# Altium PCB foxbms2-master.PcbDoc (part 1 of 12) (continued)
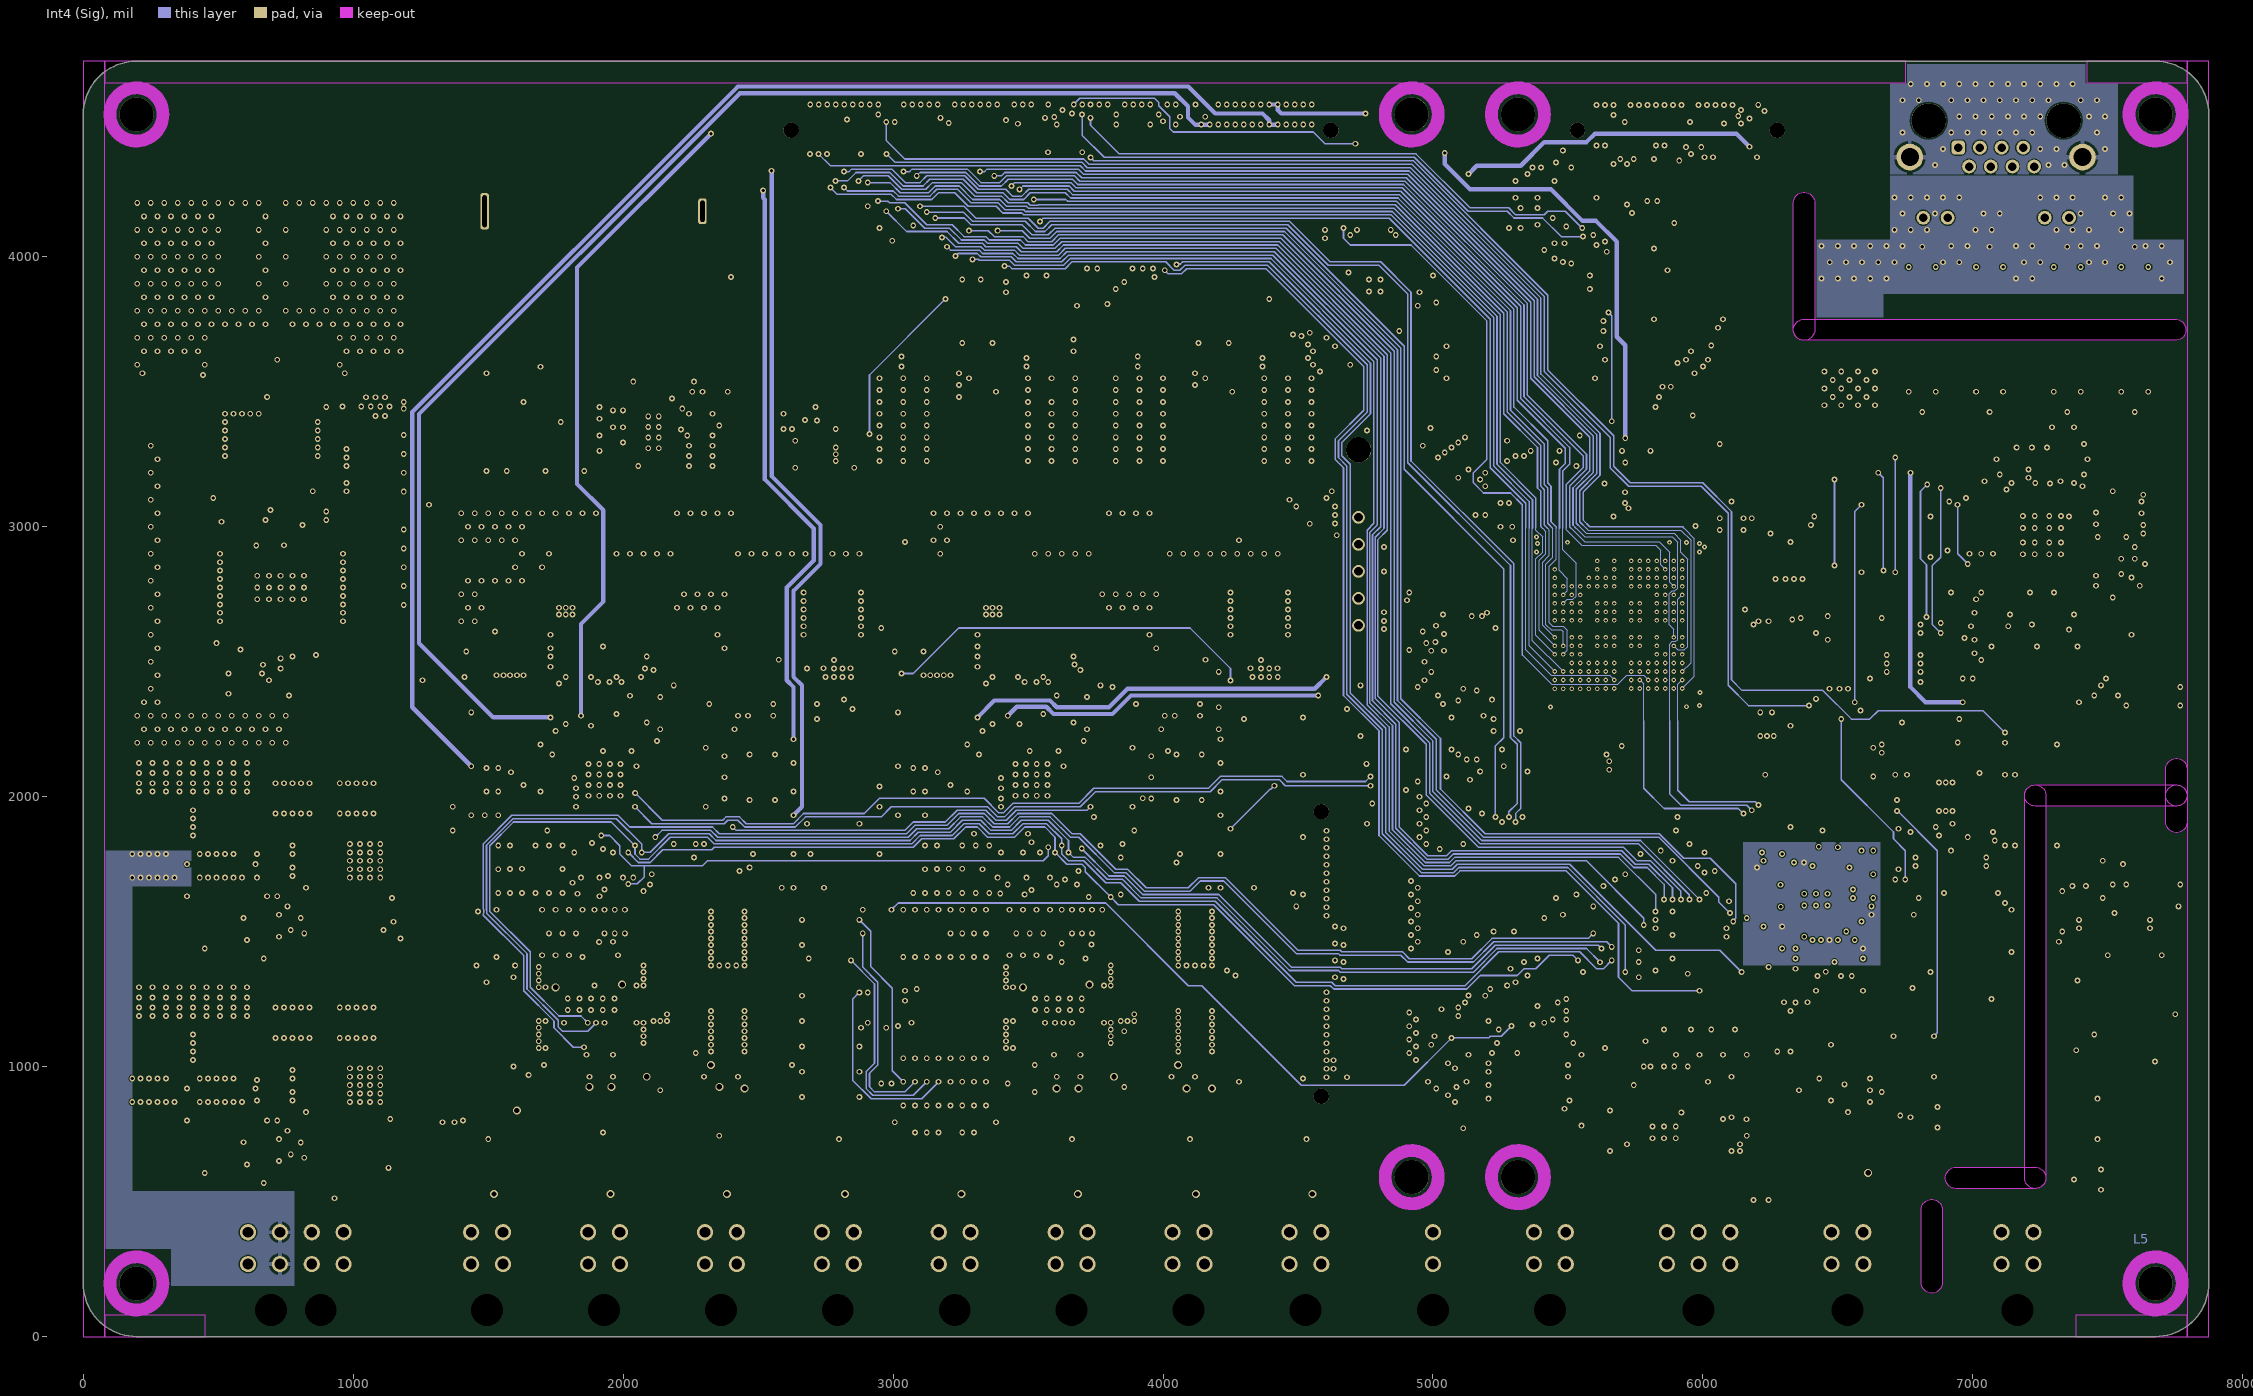
[diagram p5: Int4 (Sig)]
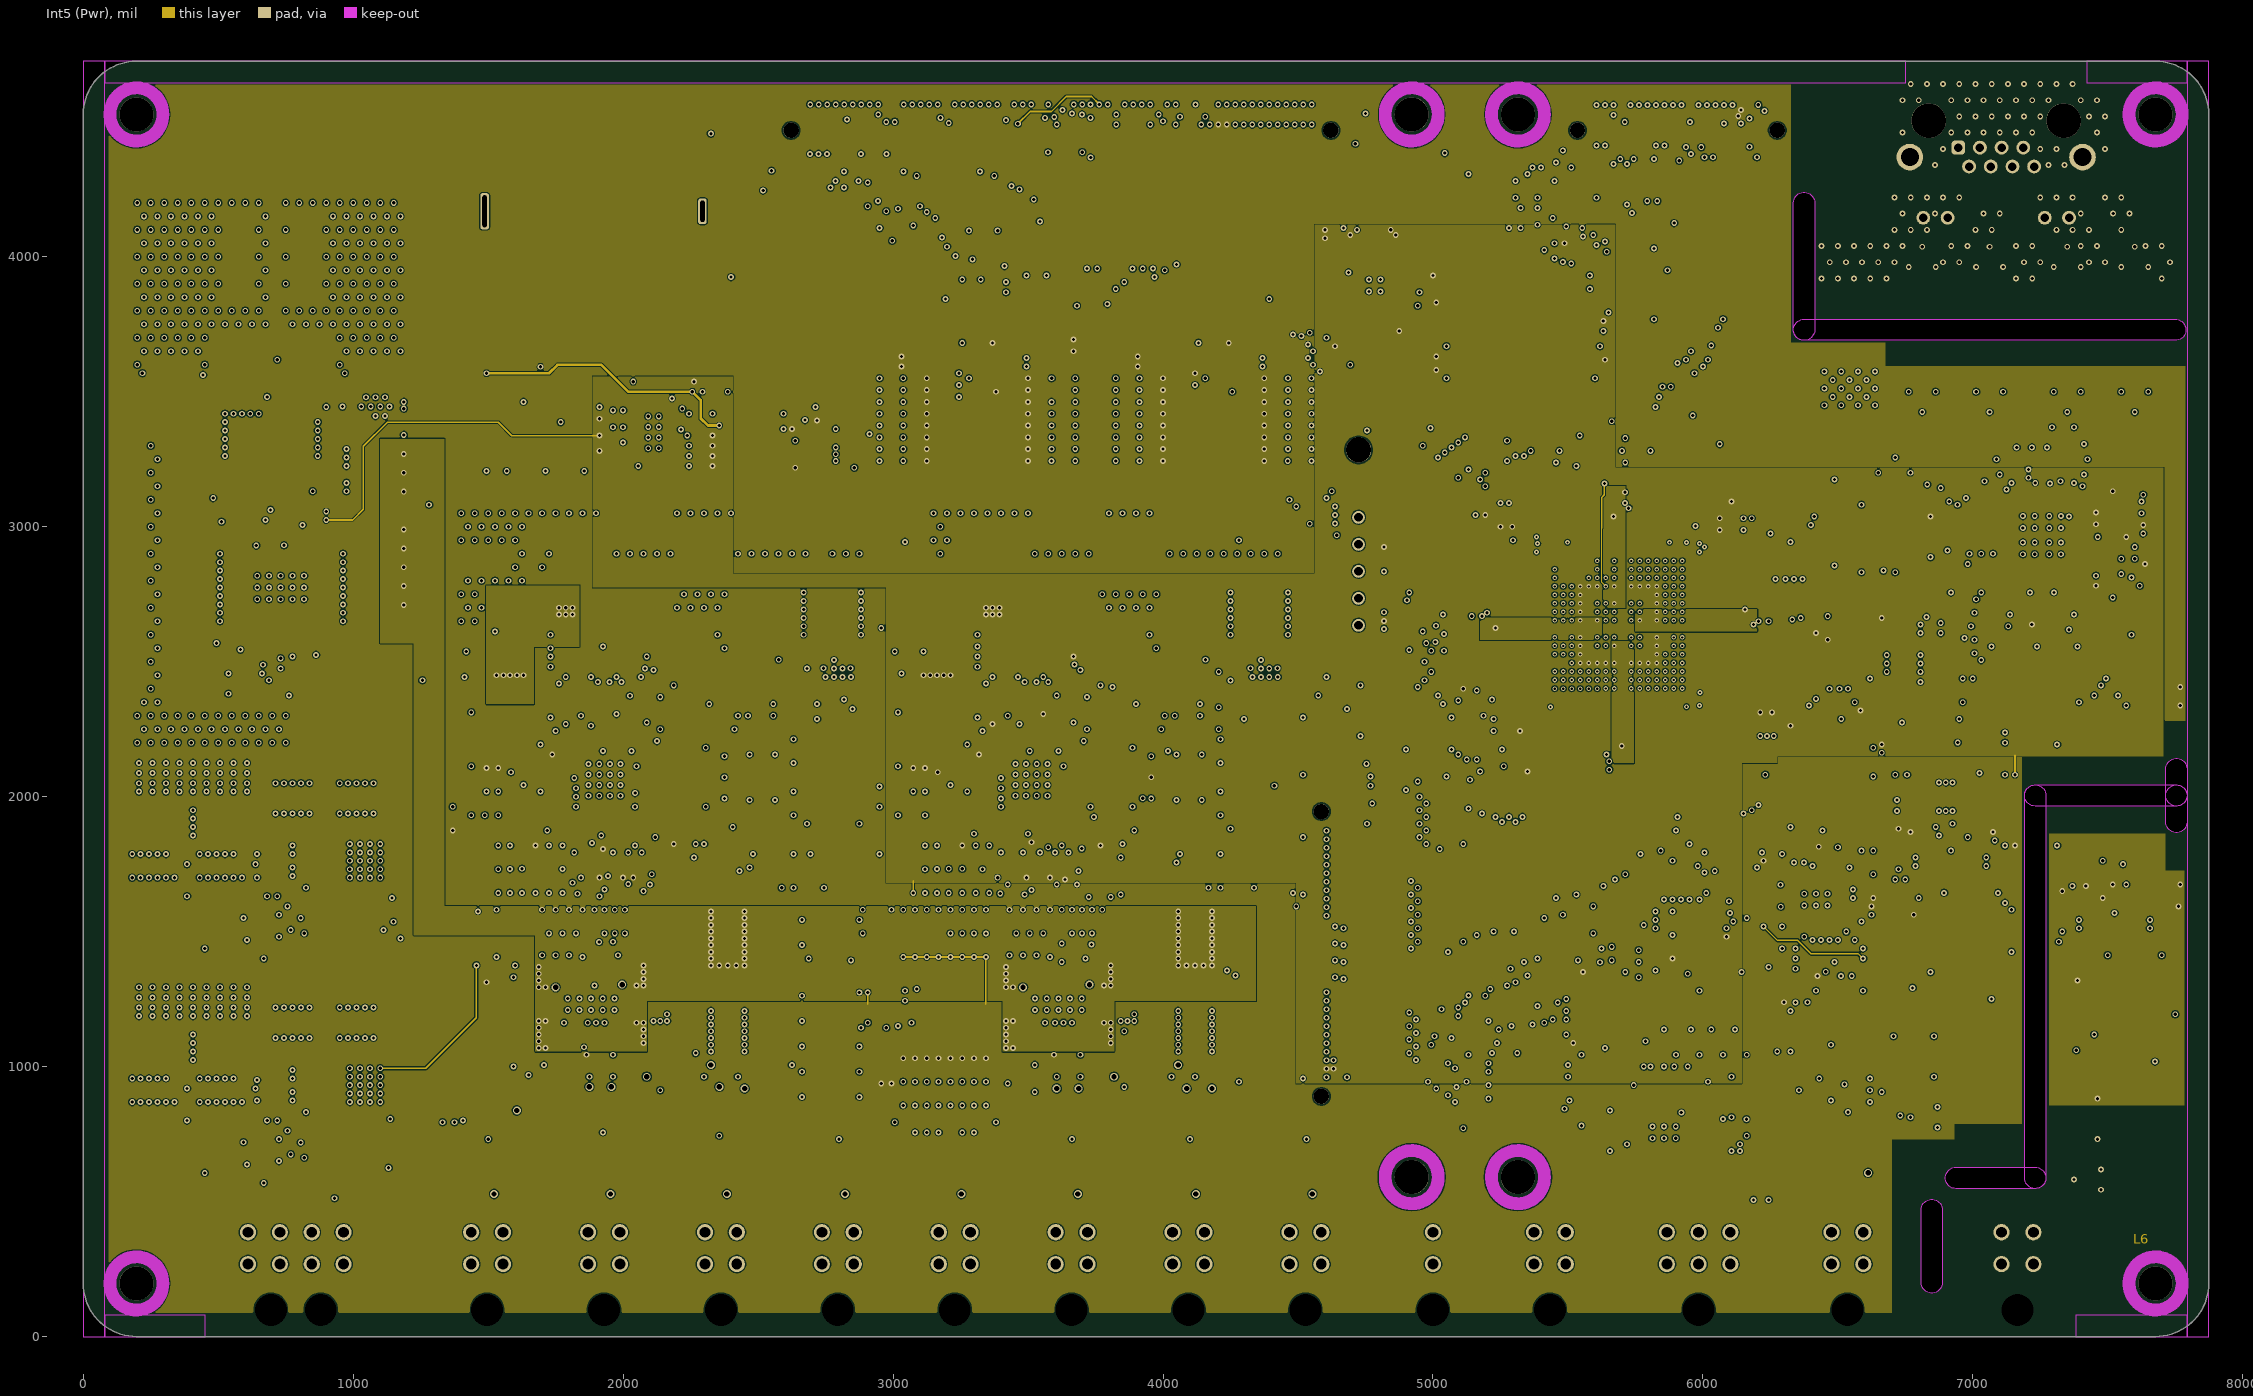
[diagram p6: Int5 (Pwr)]
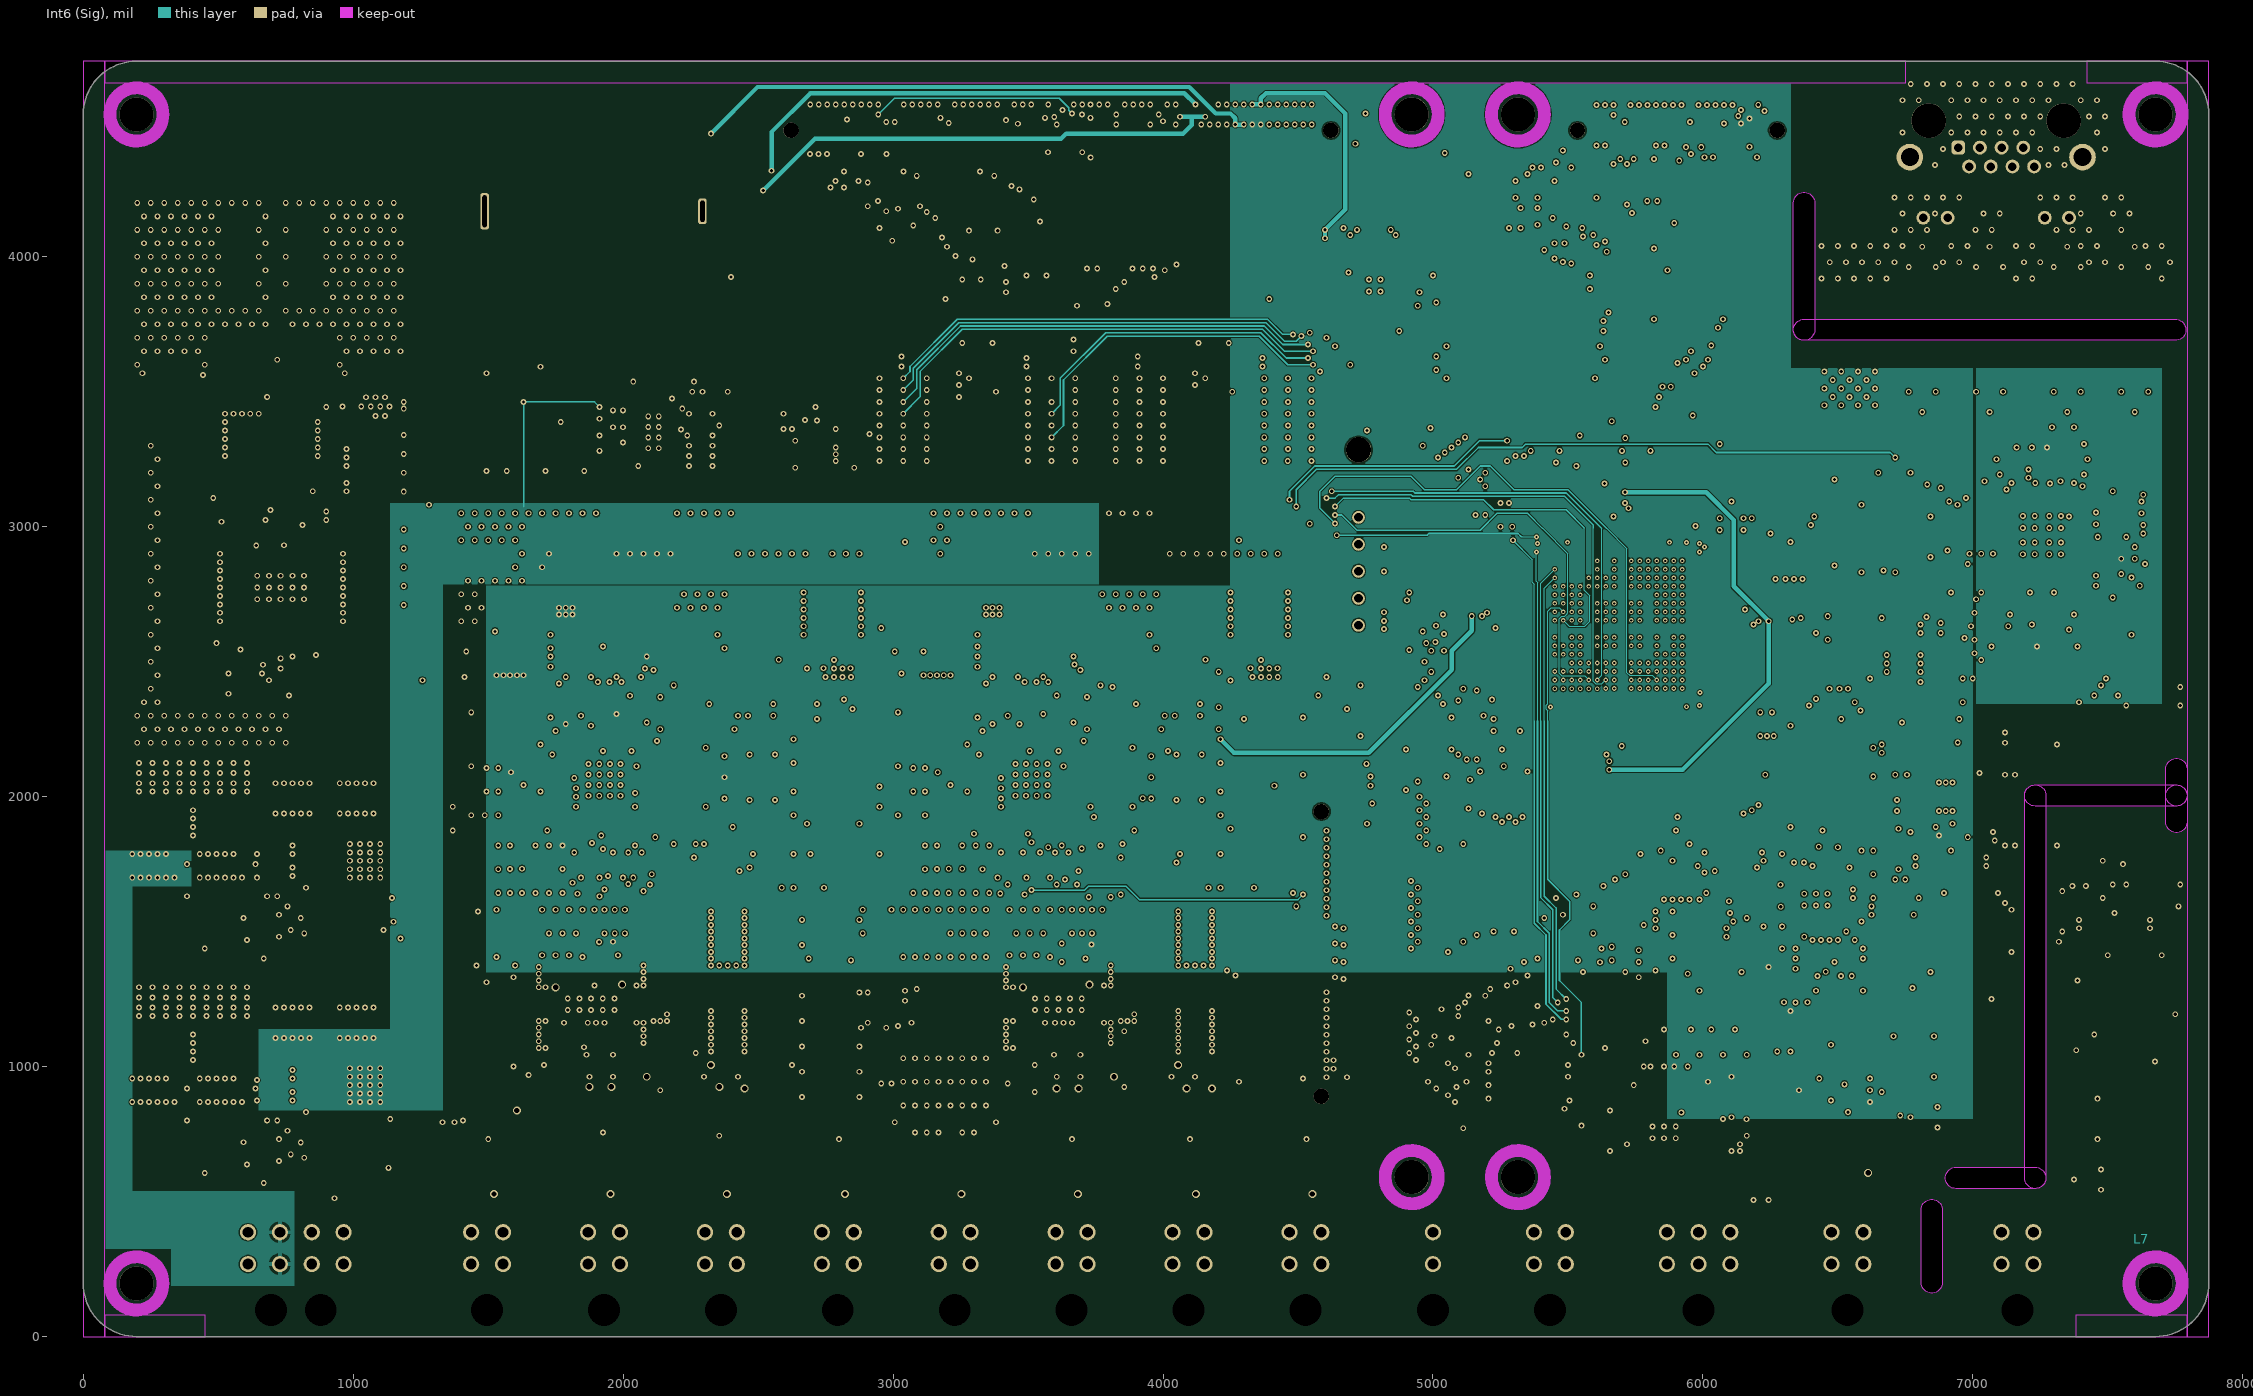
[diagram p7: Int6 (Sig)]

## Layer stack, top to bottom
Top Solder: solder mask 1.378, SM-001, Dk 4
Top: signal copper 0.7087
Dielectric 1: prepreg 2.7559, 1080, Dk 4.7
Dielectric 2: prepreg 2.7559, 1080, Dk 4.7
Int1 (Sig): signal copper 1.378
Dielectric 3: core 7.874, Core-024, Dk 4.7
Int2 (Gnd): signal copper 1.378
Dielectric 4: prepreg 2.7559, 1080, Dk 4.7
Dielectric 5: prepreg 4.5276, PP-003, Dk 4.7
Dielectric 6: prepreg 2.7559, 1080, Dk 4.7
Int3 (Sig): signal copper 1.378
Dielectric 7: core 7.874, Core-024, Dk 4.6
Int4 (Sig): signal copper 1.378
Dielectric 8: prepreg 2.7559, 1080, Dk 4.7
Dielectric 9: prepreg 4.5276, PP-003, Dk 4.7
Dielectric 10: prepreg 2.7559, 1080, Dk 4.7
Int5 (Pwr): signal copper 1.378
Dielectric 11: core 7.874, Core-024, Dk 4.7
Int6 (Sig): signal copper 1.378
Dielectric 12: prepreg 2.7559, 1080, Dk 4.7
Dielectric 13: prepreg 2.7559, 1080, Dk 4.7
Bottom: signal copper 0.7087
Bottom Solder: solder mask 1.378, SM-001, Dk 4

## Board outline
196.85,0 cw(c196.85,196.85) 0,196.85 0,4527.56 cw(c196.85,4527.56) 196.85,4724.41 7677.17,4724.41 cw(c7677.17,4527.56) 7874.02,4527.56 7874.02,196.85 cw(c7677.17,196.85) 7677.17,0
cut-out: 7715.01,2102.51 cw(c7754.38,2102.51) 7793.75,2102.51 7793.75,2004.38 cw(c7754.38,2004.38) 7715.01,2004.38
cut-out: 7793.75,1906.25 cw(c7754.38,1906.25) 7715.01,1906.25 7715.01,2004.38 cw(c7754.38,2004.38) 7793.75,2004.38
cut-out: 7231.25,626.87 cw(c7231.25,587.5) 7231.25,548.13 6937.5,548.13 cw(c6937.5,587.5) 6937.5,626.87
cut-out: 6375,3690.01 cw(c6375,3729.38) 6375,3768.75 7750,3768.75 cw(c7750,3729.38) 7750,3690.01
cut-out: 6414.37,3729.38 cw(c6375,3729.38) 6335.63,3729.38 6335.63,4200 cw(c6375,4200) 6414.37,4200
cut-out: 6887.5,200.48 cw(c6848.13,200.48) 6808.76,200.48 6808.76,468.75 cw(c6848.13,468.75) 6887.5,468.75
cut-out: 7191.88,2004.38 cw(c7231.25,2004.38) 7270.62,2004.38 7270.62,587.5 cw(c7231.25,587.5) 7191.88,587.5
cut-out: 7231.25,1965.01 cw(c7231.25,2004.38) 7231.25,2043.75 7754.38,2043.75 cw(c7754.38,2004.38) 7754.38,1965.01

## Design rules (kind name [scope] priority, off if disabled: settings)
AssemblyTestPointUsage [All] p1 off:
AssemblyTestpoint [(IsPad And (OnTopLayer Or OnBottomLayer)) Or (IsPad And OnMultiLayer)] p1 off: testpointundercomponent=FALSE minsize=40 maxsize=100 preferedsize=60 minholesize=0 maxholesize=40 preferedholesize=32 testpointgrid=1 usegrid=TRUE gridtolerance=0.01 allowsidetop=TRUE
BoardOutlineClearance [All] p1: gap=8 ignorepadtopadclearanceinfootprint=FALSE except(20: Arc-CavityEdge Track-CavityEdge SMDPad-CavityEdge THPad-CavityEdge Via-CavityEdge Fill-CavityEdge Poly-CavityEdge Region-CavityEdge Text-CavityEdge)
Clearance Clearance_ETHERNET [InNetClass('ETHERNET') vs Not InNetClass('ETHERNET')] p1: gap=11.81 ignorepadtopadclearanceinfootprint=TRUE
Clearance Clearance_iso_CAN2 [InNetClass('iso_CAN2') vs Not InNetClass('iso_CAN2')] p2: gap=11.81 ignorepadtopadclearanceinfootprint=TRUE
Clearance Clearance_mcu_fanout [WithinRoom('mcu_fanout')] p3: gap=4 ignorepadtopadclearanceinfootprint=TRUE
Clearance [All] p4: gap=4 ignorepadtopadclearanceinfootprint=TRUE except(6: Arc-Text Arc-Hole Track-Text Track-Hole SMDPad-Text SMDPad-Hole THPad-Text THPad-Hole Via-Text Via-Hole Fill-Text Fill-Hole Poly-Text Poly-Hole Region-Text Region-Hole Text-Text Text-Hole; 8: Arc-Via Track-Via SMDPad-Via THPad-Via Via-Via)
ComponentClearance ComponentClearance_Battery [InComponent('BT6401')] p1: gap=-3937.01 collisioncheckmode=3 verticalgap=-3937.01 showdistances=FALSE // Deactivate check on RTC battery
ComponentClearance [All] p2: gap=7.87 collisioncheckmode=3 verticalgap=19.68 showdistances=FALSE
Creepage Creepage_ETHERNET [InNetClass('ETHERNET') vs Not InNetClass('ETHERNET')] p1: checkdistance=393.7 ignoreinternallayers=FALSE
Creepage Creepage_iso_CAN2 [InNetClass('iso_CAN2') vs Not InNetClass('iso_CAN2')] p2: checkdistance=393.7 ignoreinternallayers=FALSE
DiffPairsRouting "Schematic Differential Pairs Routing_15" [InNetClass('ETHERNET_INT')] p1: maxlimit=12.5 minlimit=6 mostfreqgap=12.5 toplayer_minwidth=4 toplayer_maxwidth=10 toplayer_prefwidth=6 midlayer1_minwidth=4 midlayer1_maxwidth=10 midlayer1_prefwidth=6 midlayer2_minwidth=4 midlayer2_maxwidth=10 midlayer2_prefwidth=6 midlayer3_minwidth=4 midlayer3_maxwidth=10 midlayer3_prefwidth=6 midlayer4_minwidth=4 midlayer4_maxwidth=10 midlayer4_prefwidth=6 midlayer5_minwidth=4 midlayer5_maxwidth=10 midlayer5_prefwidth=6 midlayer6_minwidth=4 midlayer6_maxwidth=10 midlayer6_prefwidth=6 bottomlayer_minwidth=4 bottomlayer_maxwidth=10 bottomlayer_prefwidth=6 maxuncoupledlength=500
DiffPairsRouting "Schematic Differential Pairs Routing_7" [InNet('ETHERNET.RX1_1_N')] p2: maxlimit=12.5 minlimit=6 mostfreqgap=12.5 toplayer_minwidth=4 toplayer_maxwidth=10 toplayer_prefwidth=6 midlayer1_minwidth=4 midlayer1_maxwidth=10 midlayer1_prefwidth=6 midlayer2_minwidth=4 midlayer2_maxwidth=10 midlayer2_prefwidth=6 midlayer3_minwidth=4 midlayer3_maxwidth=10 midlayer3_prefwidth=6 midlayer4_minwidth=4 midlayer4_maxwidth=10 midlayer4_prefwidth=6 midlayer5_minwidth=4 midlayer5_maxwidth=10 midlayer5_prefwidth=6 midlayer6_minwidth=4 midlayer6_maxwidth=10 midlayer6_prefwidth=6 bottomlayer_minwidth=4 bottomlayer_maxwidth=10 bottomlayer_prefwidth=6 maxuncoupledlength=500
DiffPairsRouting "Schematic Differential Pairs Routing_6" [InNet('ETHERNET.RX1_1_P')] p3: maxlimit=12.5 minlimit=6 mostfreqgap=12.5 toplayer_minwidth=4 toplayer_maxwidth=10 toplayer_prefwidth=6 midlayer1_minwidth=4 midlayer1_maxwidth=10 midlayer1_prefwidth=6 midlayer2_minwidth=4 midlayer2_maxwidth=10 midlayer2_prefwidth=6 midlayer3_minwidth=4 midlayer3_maxwidth=10 midlayer3_prefwidth=6 midlayer4_minwidth=4 midlayer4_maxwidth=10 midlayer4_prefwidth=6 midlayer5_minwidth=4 midlayer5_maxwidth=10 midlayer5_prefwidth=6 midlayer6_minwidth=4 midlayer6_maxwidth=10 midlayer6_prefwidth=6 bottomlayer_minwidth=4 bottomlayer_maxwidth=10 bottomlayer_prefwidth=6 maxuncoupledlength=500
DiffPairsRouting "Schematic Differential Pairs Routing_5" [InNet('ETHERNET.RX2_1_N')] p4: maxlimit=12.5 minlimit=6 mostfreqgap=12.5 toplayer_minwidth=4 toplayer_maxwidth=10 toplayer_prefwidth=6 midlayer1_minwidth=4 midlayer1_maxwidth=10 midlayer1_prefwidth=6 midlayer2_minwidth=4 midlayer2_maxwidth=10 midlayer2_prefwidth=6 midlayer3_minwidth=4 midlayer3_maxwidth=10 midlayer3_prefwidth=6 midlayer4_minwidth=4 midlayer4_maxwidth=10 midlayer4_prefwidth=6 midlayer5_minwidth=4 midlayer5_maxwidth=10 midlayer5_prefwidth=6 midlayer6_minwidth=4 midlayer6_maxwidth=10 midlayer6_prefwidth=6 bottomlayer_minwidth=4 bottomlayer_maxwidth=10 bottomlayer_prefwidth=6 maxuncoupledlength=500
DiffPairsRouting "Schematic Differential Pairs Routing_4" [InNet('ETHERNET.RX2_1_P')] p5: maxlimit=12.5 minlimit=6 mostfreqgap=12.5 toplayer_minwidth=4 toplayer_maxwidth=10 toplayer_prefwidth=6 midlayer1_minwidth=4 midlayer1_maxwidth=10 midlayer1_prefwidth=6 midlayer2_minwidth=4 midlayer2_maxwidth=10 midlayer2_prefwidth=6 midlayer3_minwidth=4 midlayer3_maxwidth=10 midlayer3_prefwidth=6 midlayer4_minwidth=4 midlayer4_maxwidth=10 midlayer4_prefwidth=6 midlayer5_minwidth=4 midlayer5_maxwidth=10 midlayer5_prefwidth=6 midlayer6_minwidth=4 midlayer6_maxwidth=10 midlayer6_prefwidth=6 bottomlayer_minwidth=4 bottomlayer_maxwidth=10 bottomlayer_prefwidth=6 maxuncoupledlength=500
DiffPairsRouting "Schematic Differential Pairs Routing_3" [InNet('ETHERNET.TX1_1_N')] p6: maxlimit=12.5 minlimit=6 mostfreqgap=12.5 toplayer_minwidth=4 toplayer_maxwidth=10 toplayer_prefwidth=6 midlayer1_minwidth=4 midlayer1_maxwidth=10 midlayer1_prefwidth=6 midlayer2_minwidth=4 midlayer2_maxwidth=10 midlayer2_prefwidth=6 midlayer3_minwidth=4 midlayer3_maxwidth=10 midlayer3_prefwidth=6 midlayer4_minwidth=4 midlayer4_maxwidth=10 midlayer4_prefwidth=6 midlayer5_minwidth=4 midlayer5_maxwidth=10 midlayer5_prefwidth=6 midlayer6_minwidth=4 midlayer6_maxwidth=10 midlayer6_prefwidth=6 bottomlayer_minwidth=4 bottomlayer_maxwidth=10 bottomlayer_prefwidth=6 maxuncoupledlength=500
DiffPairsRouting "Schematic Differential Pairs Routing_2" [InNet('ETHERNET.TX1_1_P')] p7: maxlimit=12.5 minlimit=6 mostfreqgap=12.5 toplayer_minwidth=4 toplayer_maxwidth=10 toplayer_prefwidth=6 midlayer1_minwidth=4 midlayer1_maxwidth=10 midlayer1_prefwidth=6 midlayer2_minwidth=4 midlayer2_maxwidth=10 midlayer2_prefwidth=6 midlayer3_minwidth=4 midlayer3_maxwidth=10 midlayer3_prefwidth=6 midlayer4_minwidth=4 midlayer4_maxwidth=10 midlayer4_prefwidth=6 midlayer5_minwidth=4 midlayer5_maxwidth=10 midlayer5_prefwidth=6 midlayer6_minwidth=4 midlayer6_maxwidth=10 midlayer6_prefwidth=6 bottomlayer_minwidth=4 bottomlayer_maxwidth=10 bottomlayer_prefwidth=6 maxuncoupledlength=500
DiffPairsRouting "Schematic Differential Pairs Routing_1" [InNet('ETHERNET.TX2_1_N')] p8: maxlimit=12.5 minlimit=6 mostfreqgap=12.5 toplayer_minwidth=4 toplayer_maxwidth=10 toplayer_prefwidth=6 midlayer1_minwidth=4 midlayer1_maxwidth=10 midlayer1_prefwidth=6 midlayer2_minwidth=4 midlayer2_maxwidth=10 midlayer2_prefwidth=6 midlayer3_minwidth=4 midlayer3_maxwidth=10 midlayer3_prefwidth=6 midlayer4_minwidth=4 midlayer4_maxwidth=10 midlayer4_prefwidth=6 midlayer5_minwidth=4 midlayer5_maxwidth=10 midlayer5_prefwidth=6 midlayer6_minwidth=4 midlayer6_maxwidth=10 midlayer6_prefwidth=6 bottomlayer_minwidth=4 bottomlayer_maxwidth=10 bottomlayer_prefwidth=6 maxuncoupledlength=500
DiffPairsRouting "Schematic Differential Pairs Routing" [InNet('ETHERNET.TX2_1_P')] p9: maxlimit=12.5 minlimit=6 mostfreqgap=12.5 toplayer_minwidth=4 toplayer_maxwidth=10 toplayer_prefwidth=6 midlayer1_minwidth=4 midlayer1_maxwidth=10 midlayer1_prefwidth=6 midlayer2_minwidth=4 midlayer2_maxwidth=10 midlayer2_prefwidth=6 midlayer3_minwidth=4 midlayer3_maxwidth=10 midlayer3_prefwidth=6 midlayer4_minwidth=4 midlayer4_maxwidth=10 midlayer4_prefwidth=6 midlayer5_minwidth=4 midlayer5_maxwidth=10 midlayer5_prefwidth=6 midlayer6_minwidth=4 midlayer6_maxwidth=10 midlayer6_prefwidth=6 bottomlayer_minwidth=4 bottomlayer_maxwidth=10 bottomlayer_prefwidth=6 maxuncoupledlength=500
FabricationTestpoint [All] p1: side=1 testpointundercomponent=TRUE minsize=20 maxsize=300 preferedsize=60 minholesize=0 maxholesize=40 preferedholesize=32 testpointgrid=1 allowsidetop=TRUE usegrid=FALSE gridtolerance=0.01
FanoutControl Fanout_BGA [IsBGA] p1: bgadir=Out bgaviamode=Centered fanoutstyle=BGA fanoutdirection=Alternating viagrid=1 // Fanout_BGA (Default Rule)
HoleSize [All] p1: absolutevalues=TRUE maxlimit=236 minlimit=7.87 maxpercent=80.000 minpercent=20.000
HoleToHoleClearance [All] p1: gap=6 allowstackedmicrovias=TRUE
MinimumAnnularRing [All] p1: minimumring=4
MinimumSolderMaskSliver [All] p1: minsoldermaskwidth=4
PlaneClearance [All] p1: clearance=6
PlaneConnect [All] p1: planeconnectstyle=Direct reliefexpansion=20 reliefentries=4 reliefconductorwidth=10 reliefairgap=10
PolygonConnect PolygonConnect_relief [HasFootprint('CAPC1005X06N')] p1: thpad.connectstyle=Direct thpad.reliefconductorwidth=6 thpad.reliefentries=4 thpad.polygonreliefangle="90 Angle" thpad.airgapwidth=10 smdpad.connectstyle=Relief smdpad.reliefconductorwidth=6 smdpad.reliefentries=4 smdpad.polygonreliefangle="90 Angle" smdpad.airgapwidth=10 via.connectstyle=Direct via.reliefconductorwidth=10 via.reliefentries=4 via.polygonreliefangle="90 Angle" via.airgapwidth=10
PolygonConnect PolygonConnect_direct [All] p2: thpad.connectstyle=Relief thpad.reliefconductorwidth=16 thpad.reliefentries=4 thpad.polygonreliefangle="90 Angle" thpad.airgapwidth=10 smdpad.connectstyle=Direct smdpad.reliefconductorwidth=10 smdpad.reliefentries=4 smdpad.polygonreliefangle="90 Angle" smdpad.airgapwidth=10 via.connectstyle=Direct via.reliefconductorwidth=10 via.reliefentries=4 via.polygonreliefangle="90 Angle" via.airgapwidth=10
RoomDefinition smart-switch1 [InComponentClass('smart-switch1')] p1: confinementstyle=ConfineIn formatcopy=TRUE lockcomponents=FALSE outline 1668.75,787.5 2656.25,787.5 2656.25,1593.75 1668.75,1593.75
RoomDefinition rtc [InComponentClass('rtc')] p2: confinementstyle=ConfineIn formatcopy=TRUE lockcomponents=FALSE outline 1343.75,3187.5 2487.5,3187.5 2487.5,4675 1343.75,4675
RoomDefinition vref-5.0V [InComponentClass('vref-5.0V')] p3: confinementstyle=ConfineIn formatcopy=TRUE lockcomponents=FALSE outline 4487.5,2025 4831.25,2025 4831.25,2325 4487.5,2325
RoomDefinition can-transceiver1 [InComponentClass('can-transceiver1')] p4: confinementstyle=ConfineIn formatcopy=TRUE lockcomponents=FALSE outline 7187.5,731.25 7187.5,1900 6668.75,1900 6668.75,731.25
RoomDefinition insulation-monitoring [InComponentClass('insulation-monitoring')] p5: confinementstyle=ConfineIn formatcopy=TRUE lockcomponents=FALSE outline 5087.5,1387.5 5087.5,750 5606.25,750 5606.25,1387.5
RoomDefinition oscillator-25MHz [InComponentClass('oscillator-25MHz')] p6: confinementstyle=ConfineIn formatcopy=TRUE lockcomponents=FALSE outline 6112.5,1600 5862.5,1600 5862.5,1375 6112.5,1375
RoomDefinition oscillator-20MHz [InComponentClass('oscillator-20MHz')] p7: confinementstyle=ConfineIn formatcopy=TRUE lockcomponents=FALSE outline 6437.5,2556.25 6687.5,2556.25 6687.5,2781.25 6437.5,2781.25
RoomDefinition mcu_fanout [InComponent('U5000')] p8: confinementstyle=ConfineIn formatcopy=TRUE lockcomponents=FALSE outline 6043.75,2281.25 5331.25,2281.25 5331.25,2993.75 6043.75,2993.75
RoomDefinition ethernet-phy [InComponentClass('ethernet-phy')] p9: confinementstyle=ConfineIn formatcopy=TRUE lockcomponents=FALSE outline 6412.5,2506.25 7787.5,2506.25 7787.5,4368.75 6412.5,4368.75
RoomDefinition buck-boost-converter [InComponentClass('buck-boost-converter')] p10: confinementstyle=ConfineIn formatcopy=TRUE lockcomponents=FALSE outline 156.25,2162.5 1212.5,2162.5 1212.5,4250 156.25,4250
RoomDefinition supply-protection-30C [InComponentClass('supply-protection-30C')] p11: confinementstyle=ConfineIn formatcopy=TRUE lockcomponents=FALSE outline 156.25,2150 156.25,1331.25 1137.5,1331.25 1137.5,2150
RoomDefinition supply-protection-30 [InComponentClass('supply-protection-30')] p12: confinementstyle=ConfineIn formatcopy=TRUE lockcomponents=FALSE outline 156.25,1318.75 156.25,500 1137.5,500 1137.5,1318.75
RoomDefinition digital-isolator-can [InComponentClass('digital-isolator-can')] p13: confinementstyle=ConfineIn formatcopy=TRUE lockcomponents=FALSE outline 7243.75,1618.75 7787.5,1618.75 7787.5,2393.75 7243.75,2393.75
RoomDefinition sbc-mcu [InComponentClass('sbc-mcu')] p14: confinementstyle=ConfineIn formatcopy=TRUE lockcomponents=FALSE outline 2925,1625 4481.25,1625 4481.25,3100 2925,3100
RoomDefinition interlock [InComponentClass('interlock')] p15: confinementstyle=ConfineIn formatcopy=TRUE lockcomponents=FALSE outline 5612.5,531.25 6656.25,531.25 6656.25,1350 5612.5,1350
RoomDefinition sbc-per [InComponentClass('sbc-per')] p16: confinementstyle=ConfineIn formatcopy=TRUE lockcomponents=FALSE outline 1343.75,1625 2900,1625 2900,3100 1343.75,3100
RoomDefinition window-watchdog [InComponentClass('window-watchdog')] p17: confinementstyle=ConfineIn formatcopy=TRUE lockcomponents=FALSE outline 6562.5,1912.5 7187.5,1912.5 7187.5,2368.75 6562.5,2368.75